# Altium PCB RTM_SFP.PcbDoc (part 5 of 5)
Units mm, origin at the board's own origin, x right, y up, seen from the top; angles counter-clockwise.
Board outline 182.5 x 148.5 mm, 4 copper layers (Top Layer, MidPlane_1, MidPlane_2, Bottom Layer), stack 1.614 mm thick; 376 components, 325 nets, 1560 pads, 1463 vias.
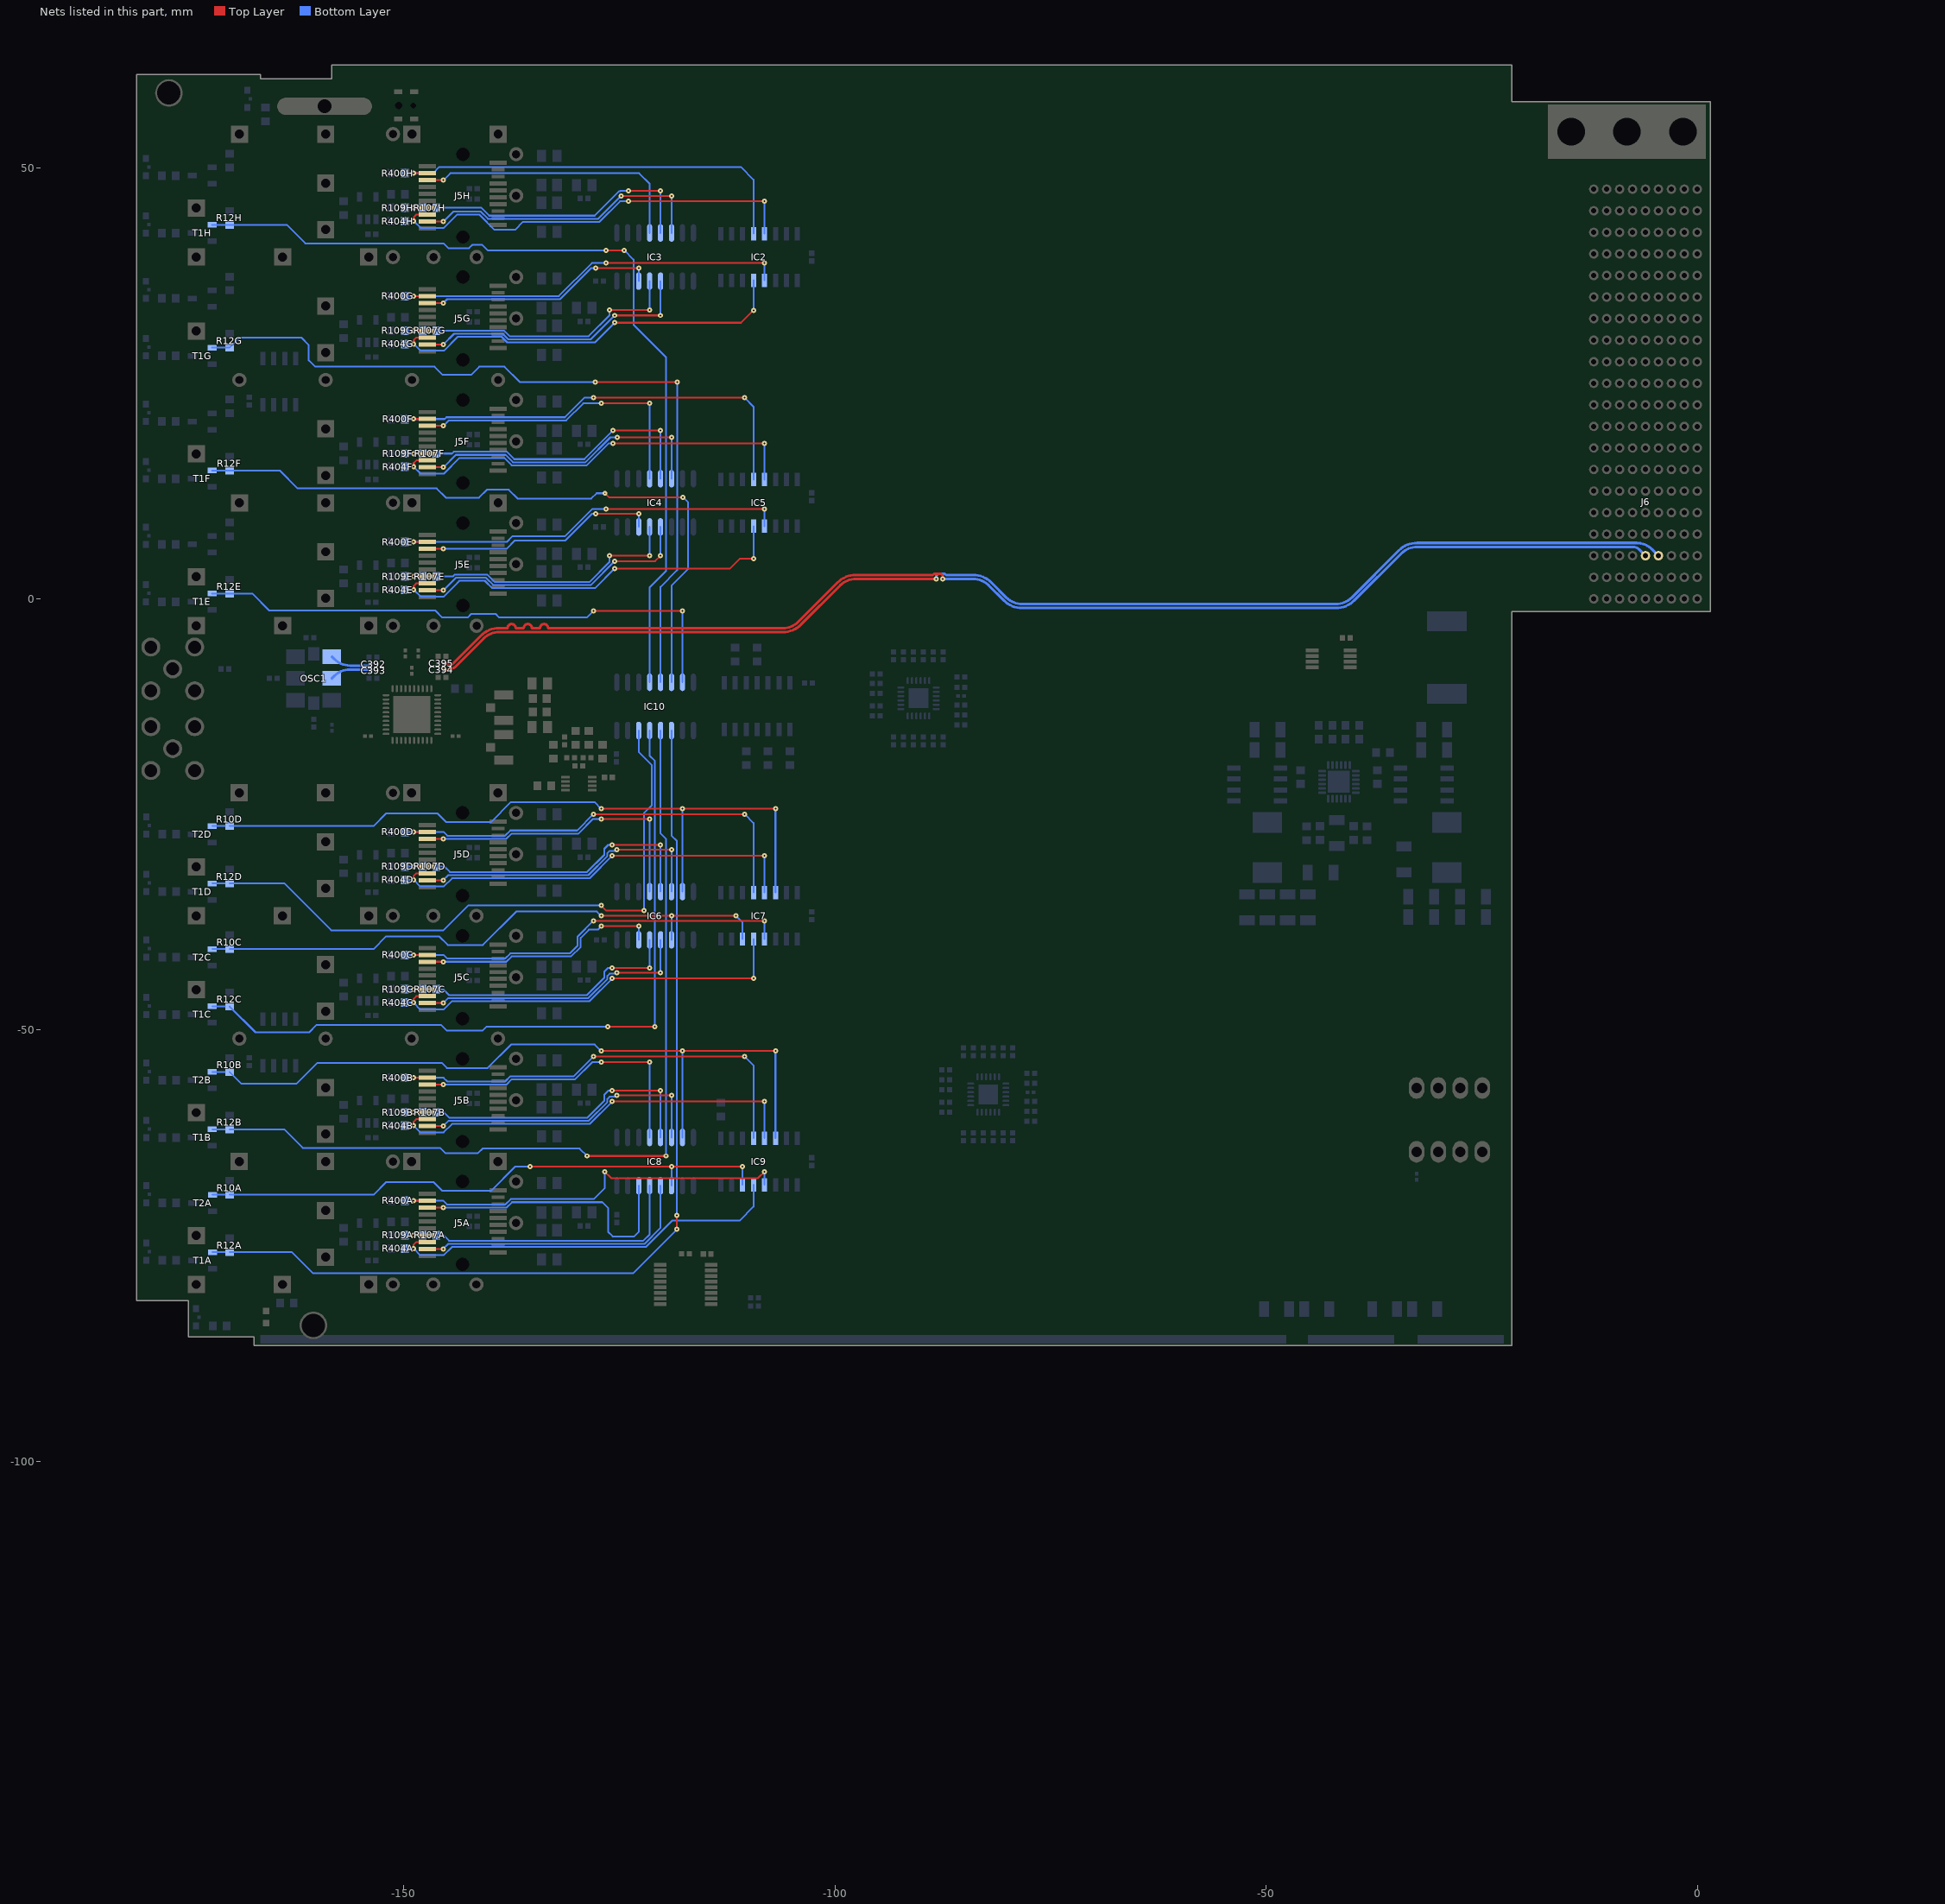
[diagram p7: the nets of this part, all layers, seen from the top]

## Via types
v1: diameter 0.6, hole 0.2, Top Layer to Bottom Layer, tented both sides, 1383 vias
v2: diameter 0.6, hole 0.3, Top Layer to Bottom Layer, tented both sides, 51 vias
v3: diameter 0.66, hole 0.33, Top Layer to Bottom Layer, tented top, 24 vias
v4: diameter 0.6, hole 0.4, Top Layer to Bottom Layer, tented both sides, 5 vias

## Nets (pads, with @x,y where several pads share a name; then routed paths per layer and width w, separated by ;. In a path a pad name is that pad's centre, name@x,y a point inside that pad or via, vN(x,y) a via of type N, cw(c..) or ccw(c..) an arc to the next point about the centre after c; other vN are vias at no path point) (continued)
SFP_LED1_5: IC6.7 IC7.14 R10D.2 T2D.1 | length 86.4
  Top Layer w0.203: v1(-127.12,-24.33) v1(-117.695,-24.33) v1(-106.91,-24.33)
  Bottom Layer w0.203: T2D.1@-172.225,-26.35 -170.775,-26.35 ; R10D.2@-170.22,-26.35 -153.535,-26.35 -152.06,-24.875 -146.099,-24.875 -145.083,-25.891 -139.901,-25.891 -137.58,-23.57 -127.88,-23.57 v1(-127.12,-24.33) ; IC6.7@-117.695,-33.95 v1(-117.695,-24.33) ; IC7.14@-106.91,-34.044 v1(-106.91,-24.33)
SFP_LED1_6: IC6.11 IC7.6 R10C.2 T2C.1 | length 68.8
  Top Layer w0.203: v1(-127.12,-36.76) v1(-118.965,-36.76) v1(-111.49,-36.76)
  Bottom Layer w0.203: T2C.1@-172.225,-40.6 -170.775,-40.6 ; R10C.2@-170.22,-40.6 -153.535,-40.6 -152.06,-39.125 -145.935,-39.125 -144.919,-40.141 -140.851,-40.141 -136.97,-36.26 -127.62,-36.26 v1(-127.12,-36.76) ; IC6.11@-118.965,-39.538 v1(-118.965,-36.76) ; v1(-111.49,-36.76) -110.72,-37.53 IC7.6@-110.72,-39.444
SFP_LED1_7: IC8.7 IC9.14 R10B.2 T2B.1 | length 88.2
  Top Layer w0.203: v1(-127.12,-52.43) v1(-117.695,-52.43) v1(-106.91,-52.43)
  Bottom Layer w0.203: T2B.1@-172.225,-54.85 -170.775,-54.85 ; R10B.2@-170.22,-54.85 -168.845,-56.225 -162.46,-56.225 -160.03,-53.795 -145.605,-53.795 -145.009,-54.391 -140.291,-54.391 -137.57,-51.67 -127.88,-51.67 v1(-127.12,-52.43) ; IC8.7@-117.695,-62.45 v1(-117.695,-52.43) ; IC9.14@-106.91,-62.544 v1(-106.91,-52.43)
SFP_LED1_8: IC8.11 IC9.6 R10A.2 T2A.1 | length 67.5
  Top Layer w0.203: v1(-135.359,-65.83) v1(-118.96,-65.83) v1(-110.72,-65.83)
  Bottom Layer w0.203: T2A.1@-172.21,-69.101 -170.76,-69.101 ; R10A.2@-170.22,-69.101 -153.535,-69.101 -152.06,-67.626 -146.554,-67.626 -145.53,-68.65 -145.521,-68.641 -139.921,-68.641 -137.11,-65.83 v1(-135.359,-65.83) ; IC8.11@-118.965,-68.038 v1@-118.965,-65.835 ; IC9.6@-110.72,-67.944 v1(-110.72,-65.83)
SFP_LED2_1: IC10.4 R12H.2 T1H.1 | length 102.3
  Top Layer w0.203: v1(-126.58,40.41) v1@-124.45,40.41
  Bottom Layer w0.203: T1H.1@-172.25,43.375 -163.585,43.375 -161.43,41.22 -145.41,41.22 -144.85,40.66 -142.44,40.66 -142.03,41.07 -140.95,41.07 -140.29,40.41 v1(-126.58,40.41) ; v1(-124.445,40.415) -123.364,39.334 -123.364,31.794 -119.6,28.03 -119.6,3.22 -121.505,1.315 IC10.4@-121.505,-9.675
SFP_LED2_2: IC10.5 R12G.2 T1G.1 | length 94
  Top Layer w0.203: v1(-127.81,25.15) v1(-118.32,25.15)
  Bottom Layer w0.203: T1G.1@-172.25,29.125 R12G.2@-170.22,29.125 -169.045,30.3 -161.9,30.3 -161.03,29.43 -161.03,27.66 -160.29,26.92 -146.45,26.92 -145.54,26.01 -142.17,26.01 -141.26,26.92 -138.34,26.92 -136.57,25.15 v1(-127.81,25.15) ; IC10.5@-120.235,-9.675 -120.235,1.395 -118.31,3.32 v1@-118.31,25.14
SFP_LED2_3: IC10.6 R12F.2 T1F.1 | length 79.7
  Top Layer w0.203: v1(-126.685,12.245) -126.231,11.79 v1(-117.63,11.79)
  Bottom Layer w0.203: T1F.1@-172.25,14.875 -164.385,14.875 -162.31,12.8 -146.21,12.8 -145.135,11.725 -141.3,11.725 -140.375,12.65 -137.85,12.65 -136.825,11.625 -128.275,11.625 -127.655,12.245 v1(-126.685,12.245) ; IC10.6@-118.965,-9.675 -118.965,1.545 -117.03,3.48 -117.03,11.19 v1(-117.63,11.79)
SFP_LED2_4: IC10.7 R12E.2 T1E.1 | length 64.6
  Top Layer w0.203: v1(-128.005,-1.385) v1(-117.695,-1.385)
  Bottom Layer w0.203: T1E.1@-172.25,0.625 R12E.2@-170.22,0.625 -167.595,0.625 -165.62,-1.35 -146.37,-1.35 -145.56,-2.16 -142.62,-2.16 -142.204,-1.744 -139.369,-1.744 -138.983,-2.13 -128.75,-2.13 v1(-128.005,-1.385) ; IC10.7@-117.695,-9.675 v1(-117.695,-1.385)
SFP_LED2_5: IC10.14 R12D.2 T1D.1 | length 75.1
  Top Layer w0.203: v1(-127.12,-35.55) -126.52,-36.15 v1(-122.14,-36.15)
  Bottom Layer w0.203: T1D.1@-172.225,-33 -170.775,-33 ; R12D.2@-170.22,-33 -163.85,-33 -158.43,-38.42 -145.42,-38.42 -142.55,-35.55 v1(-127.12,-35.55) ; IC10.14@-122.775,-15.263 -122.775,-17.755 -121.245,-19.285 -121.245,-23.925 -122.14,-24.82 v1(-122.14,-36.15)
SFP_LED2_6: IC10.13 R12C.2 T1C.1 | length 87.4
  Top Layer w0.203: v1(-126.35,-49.63) v1(-120.89,-49.63)
  Bottom Layer w0.203: T1C.1@-172.225,-47.25 -170.775,-47.25 ; R12C.2@-170.22,-47.25 -167.21,-50.26 -160.99,-50.26 -160.12,-49.39 -145.7,-49.39 -145.05,-50.04 -140.86,-50.04 -140.45,-49.63 v1(-126.35,-49.63) ; IC10.13@-121.505,-15.263 -121.505,-18.175 -120.89,-18.79 v1(-120.89,-49.63)
SFP_LED2_7: IC10.12 R12B.2 T1B.1 | length 103.4
  Top Layer w0.203: v1(-128.75,-64.6) v1(-119.61,-64.6)
  Bottom Layer w0.203: T1B.1@-172.225,-61.5 -170.775,-61.5 ; R12B.2@-170.22,-61.5 -163.89,-61.5 -161.73,-63.66 -145.79,-63.66 -145.19,-64.26 -141.41,-64.26 -140.88,-63.73 -129.62,-63.73 v1(-128.75,-64.6) ; IC10.12@-120.235,-15.263 -120.235,-27.195 -119.61,-27.82 v1(-119.61,-64.6)
SFP_LED2_8: IC10.11 R12A.2 T1A.1 | length 114.6
  Top Layer w0.203: v1(-118.34,-73.1) v1(-118.34,-71.46)
  Bottom Layer w0.203: T1A.1@-172.21,-75.751 -170.76,-75.751 ; R12A.2@-170.22,-75.751 -162.999,-75.751 -160.547,-78.203 -123.443,-78.203 v1(-118.34,-73.1) ; IC10.11@-118.965,-15.263 -118.965,-27.455 -118.34,-28.08 v1(-118.34,-71.46)
SFP_LOS1: IC2.13 J5H.8 R404H.1 | length 50.7
  Top Layer w0.203: v1(-148.863,43.805) -148.863,44.252 -148.558,44.556 J5H.8@-147.275,44.556 ; v1(-123.98,46.1) v1(-108.18,46.1)
  Bottom Layer w0.203: R404H.1@-149.9,43.805 v1(-148.863,43.805) -148.078,43.02 -145.377,43.02 -143.843,44.554 -141.232,44.554 -139.48,42.803 -137.097,42.803 -136.176,43.724 -127.311,43.724 -124.935,46.1 v1(-123.98,46.1) ; IC2.13@-108.18,42.336 v1(-108.18,46.1)
SFP_LOS2: IC2.5 J5G.8 R404G.1 | length 48.9
  Top Layer w0.203: v1(-148.863,29.555) -148.863,30.002 -148.558,30.306 J5G.8@-147.275,30.306 ; v1(-125.56,32.02) -110.9,32.02 v1(-109.45,33.47)
  Bottom Layer w0.203: R404G.1@-149.9,29.555 v1(-148.863,29.555) -148.078,28.77 -145.377,28.77 -143.758,30.389 -138.676,30.389 -138.027,29.74 -127.84,29.74 v1(-125.56,32.02) ; v1(-109.45,33.47) IC2.5@-109.45,36.936
SFP_LOS3: IC5.13 J5F.8 R404F.1 | length 50.6
  Top Layer w0.203: v1(-148.863,15.305) -148.863,15.752 -148.558,16.056 J5F.8@-147.275,16.056 ; v1@-125.787,18.047 v1(-108.18,18.047)
  Bottom Layer w0.203: R404F.1@-149.9,15.305 v1(-148.863,15.305) -148.078,14.52 -145.377,14.52 -143.551,16.345 -138.357,16.345 -137.501,15.49 -128.795,15.49 -126.237,18.047 v1@-125.787,18.047 ; IC5.13@-108.18,13.836 v1(-108.18,18.047)
  other v1: -125.77,18.047
SFP_LOS4: IC5.5 J5E.8 R404E.1 | length 49.3
  Top Layer w0.203: v1(-148.863,1.055) -148.863,1.502 -148.558,1.806 J5E.8@-147.275,1.806 ; v1@-125.63,3.52 -112.17,3.52 -111.02,4.67 v1(-109.45,4.67)
  Bottom Layer w0.203: R404E.1@-149.9,1.055 v1(-148.863,1.055) -148.078,0.27 -145.377,0.27 -143.758,1.889 -143.541,2.105 -140.631,2.105 -139.765,1.24 -127.84,1.24 v1(-125.56,3.52) ; v1(-109.45,4.67) IC5.5@-109.45,8.436
SFP_LOS5: IC7.13 J5D.8 R404D.1 | length 50
  Top Layer w0.203: v1(-148.877,-32.575) -148.877,-32.129 -148.572,-31.824 J5D.8@-147.29,-31.824 ; v1(-125.85,-29.773) v1(-108.18,-29.773)
  Bottom Layer w0.203: R404D.1@-149.914,-32.575 v1(-148.877,-32.575) -148.092,-33.36 -145.391,-33.36 -144.421,-32.391 -128.465,-32.391 -125.85,-29.775 v1(-125.85,-29.773) ; IC7.13@-108.18,-34.044 v1(-108.18,-29.773)
SFP_LOS6: IC7.5 J5C.8 R404C.1 | length 49
  Top Layer w0.203: v1(-148.877,-46.825) -148.877,-46.379 -148.572,-46.074 J5C.8@-147.29,-46.074 ; v1(-125.85,-44.023) v1(-109.45,-44.023)
  Bottom Layer w0.203: R404C.1@-149.914,-46.825 v1(-148.877,-46.825) -148.092,-47.61 -145.391,-47.61 -144.421,-46.641 -128.465,-46.641 -125.85,-44.025 v1(-125.85,-44.023) ; v1(-109.45,-44.023) IC7.5@-109.45,-39.444
SFP_LOS7: IC9.13 J5B.8 R404B.1 | length 50
  Top Layer w0.203: v1(-148.877,-61.075) -148.877,-60.629 -148.572,-60.324 J5B.8@-147.29,-60.324 ; v1(-125.85,-58.273) v1(-108.18,-58.273)
  Bottom Layer w0.203: R404B.1@-149.914,-61.075 v1(-148.877,-61.075) -148.092,-61.86 -145.391,-61.86 -144.421,-60.891 -129.58,-60.891 -128.465,-60.891 -125.85,-58.275 v1(-125.85,-58.273) ; IC9.13@-108.18,-62.544 v1(-108.18,-58.273)
SFP_LOS8: IC9.5 J5A.8 R404A.1 | length 47.8
  Top Layer w0.203: v1(-148.877,-75.325) -148.877,-74.879 -148.572,-74.574 J5A.8@-147.29,-74.574
  Bottom Layer w0.203: R404A.1@-149.914,-75.325 v1(-148.877,-75.325) -148.092,-76.11 -145.391,-76.11 -144.421,-75.141 -121.945,-75.141 -118.899,-72.095 -111.085,-72.095 -109.45,-70.46 IC9.5@-109.45,-67.944
SFP_RS0_1: IC3.5 R107H.2 | length 32.2
  Top Layer w0.203: v1(-123.98,47.29) v1(-120.235,47.29)
  Bottom Layer w0.203: R107H.2@-146.215,45.35 -141.023,45.35 -140.107,44.435 -127.886,44.435 -125.039,47.281 -124.926,47.281 -124.917,47.29 v1(-123.98,47.29) ; IC3.5@-120.235,42.43 v1@-120.235,47.09
SFP_RS0_2: IC3.13 R107G.2 | length 30
  Top Layer w0.203: v1(-126.16,33.5) v1(-121.505,33.5)
  Bottom Layer w0.203: R107G.2@-146.215,31.1 -138.382,31.1 -137.733,30.451 -128.582,30.451 -126.16,32.873 v1(-126.16,33.5) v1@-126.214,33.446 ; v1(-121.505,33.5) IC3.13@-121.505,36.842
SFP_RS0_3: IC4.5 R107F.2 | length 33.4
  Top Layer w0.203: v1(-125.77,19.52) v1(-120.235,19.52)
  Bottom Layer w0.203: R107F.2@-146.215,16.85 -144.43,16.85 -144.224,17.056 -138.063,17.056 -137.207,16.201 -129.089,16.201 v1(-125.77,19.52) ; IC4.5@-120.235,13.93 v1(-120.235,19.52)
SFP_RS0_4: IC4.13 R107E.2 | length 30.2
  Top Layer w0.203: v1(-126.16,5) v1(-121.505,5)
  Bottom Layer w0.203: R107E.2@-146.215,2.6 -144.333,2.6 -144.116,2.816 -140.336,2.816 -139.471,1.951 -128.489,1.951 -126.16,4.28 v1(-126.16,5) ; v1(-121.505,5) IC4.13@-121.505,8.342
SFP_RS0_5: IC6.5 R107D.2 | length 33.4
  Top Layer w0.203: v1(-125.85,-28.53) v1(-120.235,-28.53)
  Bottom Layer w0.203: R107D.2@-146.229,-31.03 -145.31,-31.03 -144.661,-31.679 -128.759,-31.679 -126.76,-29.68 -126.76,-28.98 -126.31,-28.53 v1(-125.85,-28.53) ; IC6.5@-120.235,-33.95 v1(-120.235,-28.53)
SFP_RS0_6: IC6.13 R107C.2 | length 29.9
  Top Layer w0.203: v1(-125.85,-42.78) v1(-121.505,-42.78)
  Bottom Layer w0.203: R107C.2@-146.229,-45.28 -145.43,-45.28 -144.781,-45.929 -128.759,-45.929 -126.76,-43.93 -126.76,-43.23 -126.31,-42.78 v1(-125.85,-42.78) ; v1(-121.505,-42.78) IC6.13@-121.505,-39.538
SFP_RS0_7: IC8.5 R107B.2 | length 33.4
  Top Layer w0.203: v1(-125.85,-57.03) v1(-120.235,-57.03)
  Bottom Layer w0.203: R107B.2@-146.229,-59.53 -145.36,-59.53 -144.711,-60.179 -128.759,-60.179 -126.76,-58.18 -126.76,-57.48 -126.31,-57.03 v1(-125.85,-57.03) ; IC8.5@-120.235,-62.45 v1(-120.235,-57.03)
SFP_RS0_8: IC8.13 R107A.2 | length 31
  Bottom Layer w0.203: R107A.2@-146.229,-73.78 -145.41,-73.78 -144.761,-74.429 -122.239,-74.429 -121.505,-73.695 IC8.13@-121.505,-68.038
SFP_RS1_1: IC3.6 J5H.9 | length 34.5
  Top Layer w0.203: J5H.9@-147.275,43.756 v1(-145.424,43.756) ; v1(-124.81,46.727) v1(-118.965,46.727)
  Bottom Layer w0.203: v1(-145.424,43.756) -144.271,44.909 -141.084,44.909 -140.254,44.079 -127.458,44.079 v1(-124.81,46.727) ; IC3.6@-118.965,42.43 v1(-118.965,46.727)
SFP_RS1_2: IC3.12 J5G.9 | length 32.9
  Top Layer w0.203: J5G.9@-147.275,29.506 v1(-145.424,29.506) ; v1(-125.56,32.87) v1(-120.235,32.87)
  Bottom Layer w0.203: v1(-145.424,29.506) -144.186,30.744 -138.529,30.744 -137.88,30.095 -128.335,30.095 v1(-125.56,32.87) ; v1(-120.235,32.87) IC3.12@-120.235,36.842
SFP_RS1_3: IC4.6 J5F.9 | length 35.3
  Top Layer w0.203: J5F.9@-147.275,15.256 v1(-145.424,15.256) ; v1(-125.25,18.73) v1(-118.965,18.73)
  Bottom Layer w0.203: v1(-145.424,15.256) -143.979,16.701 -138.21,16.701 -137.354,15.845 -128.942,15.845 -126.057,18.73 v1(-125.25,18.73) ; IC4.6@-118.965,13.93 v1(-118.965,18.73)
SFP_RS1_4: IC4.12 J5E.9 | length 32.8
  Top Layer w0.203: J5E.9@-147.275,1.006 v1(-145.424,1.006) ; v1@-125.63,4.37 -120.865,4.37 v1(-120.235,5)
  Bottom Layer w0.203: v1(-145.424,1.006) -143.969,2.461 -140.484,2.461 -139.618,1.595 -128.335,1.595 v1(-125.56,4.37) ; v1(-120.235,5) IC4.12@-120.235,8.342
SFP_RS1_5: IC6.6 J5D.9 | length 34.9
  Top Layer w0.203: J5D.9@-147.29,-32.624 v1(-145.438,-32.624) ; v1(-125.33,-29.09) v1(-118.965,-29.09)
  Bottom Layer w0.203: v1(-145.438,-32.624) -144.849,-32.035 -128.612,-32.035 -126.404,-29.827 -126.404,-29.474 -126.149,-29.219 -125.459,-29.219 v1(-125.33,-29.09) ; IC6.6@-118.965,-33.95 v1(-118.965,-29.09)
SFP_RS1_6: IC6.12 J5C.9 | length 32.5
  Top Layer w0.203: J5C.9@-147.29,-46.874 v1(-145.438,-46.874) ; v1(-125.33,-43.34) v1(-120.235,-43.34)
  Bottom Layer w0.203: v1(-145.438,-46.874) -144.849,-46.285 -129.2,-46.285 -128.612,-46.285 -126.404,-44.077 -126.404,-43.724 -126.149,-43.469 -125.459,-43.469 v1(-125.33,-43.34) ; v1(-120.235,-43.34) IC6.12@-120.235,-39.538
SFP_RS1_7: IC8.6 J5B.9 | length 34.9
  Top Layer w0.203: J5B.9@-147.29,-61.124 v1(-145.438,-61.124) ; v1(-125.33,-57.59) v1(-118.965,-57.59)
  Bottom Layer w0.203: v1(-145.438,-61.124) -144.849,-60.535 -129.2,-60.535 -128.612,-60.535 -126.404,-58.327 -126.404,-57.974 -126.149,-57.719 -125.459,-57.719 v1(-125.33,-57.59) ; IC8.6@-118.965,-62.45 v1(-118.965,-57.59)
SFP_RS1_8: IC8.12 J5A.9 | length 33
  Top Layer w0.203: J5A.9@-147.29,-75.374 v1(-145.438,-75.374)
  Bottom Layer w0.203: v1(-145.438,-75.374) -144.849,-74.785 -122.092,-74.785 -120.235,-72.928 IC8.12@-120.235,-68.038
SFP_SYNCE_REFCLKA: J5A.7 R107A.1 R109A.2 | length 3.7
  Top Layer w0.203: v1(-148.877,-73.78) J5A.7@-147.296,-73.78
  Bottom Layer w0.203: R109A.2@-149.914,-73.78 v1(-148.877,-73.78) R107A.1@-147.829,-73.78
SFP_SYNCE_REFCLKB: J5B.7 R107B.1 R109B.2 | length 3.7
  Top Layer w0.203: v1(-148.877,-59.53) J5B.7@-147.296,-59.53
  Bottom Layer w0.203: R109B.2@-149.914,-59.53 v1(-148.877,-59.53) R107B.1@-147.829,-59.53
SFP_SYNCE_REFCLKC: J5C.7 R107C.1 R109C.2 | length 3.7
  Top Layer w0.203: v1(-148.877,-45.28) J5C.7@-147.296,-45.28
  Bottom Layer w0.203: R109C.2@-149.914,-45.28 v1(-148.877,-45.28) R107C.1@-147.829,-45.28
SFP_SYNCE_REFCLKD: J5D.7 R107D.1 R109D.2 | length 3.7
  Top Layer w0.203: v1(-148.877,-31.03) J5D.7@-147.296,-31.03
  Bottom Layer w0.203: R109D.2@-149.914,-31.03 v1(-148.877,-31.03) R107D.1@-147.829,-31.03
SFP_SYNCE_REFCLKE: J5E.7 R107E.1 R109E.2 | length 3.7
  Top Layer w0.203: v1(-148.863,2.6) J5E.7@-147.282,2.6
  Bottom Layer w0.203: R109E.2@-149.9,2.6 v1(-148.863,2.6) R107E.1@-147.815,2.6
SFP_SYNCE_REFCLKF: J5F.7 R107F.1 R109F.2 | length 3.7
  Top Layer w0.203: v1(-148.863,16.85) J5F.7@-147.282,16.85
  Bottom Layer w0.203: R109F.2@-149.9,16.85 v1(-148.863,16.85) R107F.1@-147.815,16.85
SFP_SYNCE_REFCLKG: J5G.7 R107G.1 R109G.2 | length 3.7
  Top Layer w0.203: v1(-148.863,31.1) J5G.7@-147.282,31.1
  Bottom Layer w0.203: R109G.2@-149.9,31.1 v1(-148.863,31.1) R107G.1@-147.815,31.1
SFP_SYNCE_REFCLKH: J5H.7 R107H.1 R109H.2 | length 3.7
  Top Layer w0.203: v1(-148.863,45.35) J5H.7@-147.282,45.35
  Bottom Layer w0.203: R109H.2@-149.9,45.35 v1(-148.863,45.35) R107H.1@-147.815,45.35
SFP_TXDISABLE1: IC3.4 J5H.3 | length 32.3
  Top Layer w0.203: J5H.3@-147.275,48.556 v1(-145.424,48.556)
  Bottom Layer w0.203: v1(-145.424,48.556) -144.62,49.36 -122.72,49.36 -121.505,48.145 IC3.4@-121.505,42.43
SFP_TXDISABLE2: IC3.14 J5G.3 | length 27.7
  Top Layer w0.203: J5G.3@-147.275,34.306 v1(-145.424,34.306) ; v1(-127.74,38.355) v1(-122.775,38.355)
  Bottom Layer w0.203: v1(-145.424,34.306) -144.979,34.751 -131.886,34.751 -128.282,38.355 v1(-127.74,38.355) ; IC3.14@-122.775,36.842 v1(-122.775,38.355)
SFP_TXDISABLE3: IC4.4 J5F.3 | length 35.6
  Top Layer w0.203: J5F.3@-147.275,20.056 v1(-145.424,20.056) ; v1(-127.12,22.67) v1(-121.505,22.67)
  Bottom Layer w0.203: v1(-145.424,20.056) -144.781,20.699 -131.176,20.699 -129.205,22.67 v1(-127.12,22.67) ; IC4.4@-121.505,13.93 v1(-121.505,22.67)
SFP_TXDISABLE4: IC4.14 J5E.3 | length 27.7
  Top Layer w0.203: J5E.3@-147.275,5.806 v1(-145.424,5.806) ; v1(-127.74,9.855) v1(-122.775,9.855)
  Bottom Layer w0.203: v1(-145.424,5.806) -138.114,5.806 -137.16,6.76 -131.31,6.76 -128.215,9.855 v1(-127.74,9.855) ; IC4.14@-122.775,8.342 v1(-122.775,9.855)
SFP_TXDISABLE5: IC6.4 J5D.3 | length 35.2
  Top Layer w0.203: J5D.3@-147.29,-27.824 v1(-145.438,-27.824) ; v1(-127.12,-25.53) v1(-121.505,-25.53)
  Bottom Layer w0.203: v1(-145.438,-27.824) -138.128,-27.824 -137.514,-27.21 -129.757,-27.21 -128.077,-25.53 v1(-127.12,-25.53) ; IC6.4@-121.505,-33.95 v1(-121.505,-25.53)
SFP_TXDISABLE6: IC6.14 J5C.3 | length 28.4
  Top Layer w0.203: J5C.3@-147.29,-42.074 v1(-145.438,-42.074) ; v1(-127.12,-37.96) v1(-122.775,-37.96)
  Bottom Layer w0.203: v1(-145.438,-42.074) -138.128,-42.074 -137.514,-41.46 -130.62,-41.46 -129.509,-40.349 -129.509,-39.312 -128.547,-38.35 -127.51,-38.35 v1(-127.12,-37.96) ; IC6.14@-122.775,-39.538 v1(-122.775,-37.96)
SFP_TXDISABLE7: IC8.4 J5B.3 | length 35.6
  Top Layer w0.203: J5B.3@-147.29,-56.324 v1(-145.438,-56.324) ; v1(-127.12,-53.71) v1(-121.505,-53.71)
  Bottom Layer w0.203: v1(-145.438,-56.324) -138.128,-56.324 -137.514,-55.71 -130.15,-55.71 -128.15,-53.71 v1(-127.12,-53.71) ; IC8.4@-121.505,-62.45 v1(-121.505,-53.71)
SFP_TXDISABLE8: IC8.14 J5A.3 | length 33.6
  Top Layer w0.203: J5A.3@-147.29,-70.574 v1(-145.438,-70.574)
  Bottom Layer w0.203: v1(-145.438,-70.574) -138.078,-70.574 -137.46,-69.956 -127,-69.956 -126.33,-70.626 -126.33,-73.39 -125.8,-73.92 -123.3,-73.92 -122.775,-73.395 IC8.14@-122.775,-68.038
SFP_TXFAULT1: IC2.12 J5H.2 R400H.1 | length 49.2
  Top Layer w0.203: v1(-148.884,49.356) J5H.2@-147.275,49.356
  Bottom Layer w0.203: R400H.1@-149.9,49.35 v1@-148.89,49.35 ; v1(-148.884,49.356) -146.604,49.356 -145.889,50.071 -110.931,50.071 -109.45,48.59 IC2.12@-109.45,42.336
SFP_TXFAULT2: IC2.4 J5G.2 R400G.1 | length 46.8
  Top Layer w0.203: v1(-148.884,35.106) J5G.2@-147.275,35.106 ; v1(-126.58,38.94) v1(-108.18,38.94)
  Bottom Layer w0.203: R400G.1@-149.9,35.1 v1@-148.89,35.1 ; v1(-148.884,35.106) -132.034,35.106 -128.2,38.94 v1(-126.58,38.94) ; IC2.4@-108.18,36.936 v1@-108.18,38.84
SFP_TXFAULT3: IC5.12 J5F.2 R400F.1 | length 51.9
  Top Layer w0.203: v1(-148.884,20.856) J5F.2@-147.275,20.856 ; v1(-128.02,23.31) v1(-110.48,23.31)
  Bottom Layer w0.203: R400F.1@-149.9,20.85 v1@-148.89,20.85 ; v1(-148.884,20.856) -145.264,20.856 -145.065,21.055 -131.323,21.055 -129.067,23.31 v1(-128.02,23.31) ; v1(-110.48,23.31) -109.45,22.28 IC5.12@-109.45,13.836
SFP_TXFAULT4: IC5.4 J5E.2 R400E.1 | length 46.8
  Top Layer w0.203: v1(-148.884,6.606) J5E.2@-147.275,6.606 ; v1(-126.58,10.44) v1(-108.18,10.44)
  Bottom Layer w0.203: R400E.1@-149.9,6.6 v1@-148.89,6.6 ; v1(-148.884,6.606) -138.074,6.606 -137.44,7.24 -131.35,7.24 -128.15,10.44 v1(-126.58,10.44) ; IC5.4@-108.18,8.436 v1@-108.18,10.34
SFP_TXFAULT5: IC7.12 J5D.2 R400D.1 | length 51.8
  Top Layer w0.203: v1(-148.898,-27.024) J5D.2@-147.29,-27.024 ; v1(-128.02,-24.97) v1(-110.48,-24.97)
  Bottom Layer w0.203: R400D.1@-149.914,-27.03 v1@-148.904,-27.03 ; v1(-148.898,-27.024) -145.405,-27.024 -144.96,-27.468 -138.275,-27.468 -137.661,-26.855 -129.904,-26.855 v1(-128.02,-24.97) ; v1(-110.48,-24.97) -109.45,-26 IC7.12@-109.45,-34.044
SFP_TXFAULT6: IC7.4 J5C.2 R400C.1 | length 48.1
  Top Layer w0.203: v1(-148.898,-41.274) J5C.2@-147.29,-41.274 ; v1(-128.02,-37.32) v1(-108.18,-37.32)
  Bottom Layer w0.203: R400C.1@-149.914,-41.28 v1@-148.904,-41.28 ; v1(-148.898,-41.274) -145.405,-41.274 -144.96,-41.718 -138.275,-41.718 -137.661,-41.105 -130.767,-41.105 -129.865,-40.202 -129.865,-39.165 v1(-128.02,-37.32) ; IC7.4@-108.18,-39.444 v1(-108.18,-37.32)
SFP_TXFAULT7: IC9.12 J5B.2 R400B.1 | length 52.3
  Top Layer w0.203: v1(-148.898,-55.524) J5B.2@-147.29,-55.524 ; v1(-128.02,-53.07) v1(-110.48,-53.07)
  Bottom Layer w0.203: R400B.1@-149.914,-55.53 R400B.1@-149.9,-55.53 v1@-148.904,-55.53 ; v1(-148.898,-55.524) -145.405,-55.524 -144.96,-55.968 -138.275,-55.968 -137.661,-55.355 -130.304,-55.355 v1(-128.02,-53.07) ; v1(-110.48,-53.07) -109.45,-54.1 IC9.12@-109.45,-62.544
SFP_TXFAULT8: IC9.4 J5A.2 R400A.1 | length 48.4
  Top Layer w0.203: v1(-148.898,-69.774) J5A.2@-147.29,-69.774 ; v1(-126.72,-66.41) -125.951,-67.179 -108.949,-67.179 v1(-108.18,-66.41)
  Bottom Layer w0.203: R400A.1@-149.914,-69.78 R400A.1@-149.9,-69.78 v1@-148.904,-69.78 ; v1(-148.898,-69.774) -145.454,-69.774 -145.01,-70.218 -138.225,-70.218 -137.608,-69.601 -127.971,-69.601 -126.72,-68.35 v1(-126.72,-66.41) ; IC9.4@-108.18,-67.944 v1(-108.18,-66.41)
SI_CLK_N: C393.2 OSC1.5 | length 4.9
  Bottom Layer w0.305: OSC1.5@-158.36,-9.23 -158.064,-8.934 cw(c-156.268,-10.73) -157.298,-8.408 cw(c-156.268,-10.73) -156.268,-8.19 -154.01,-8.19 C393.2@-153.86,-8.34
SI_CLK_P: C392.2 OSC1.4 | length 4.9
  Bottom Layer w0.305: OSC1.4@-158.36,-6.69 -158.061,-6.989 ccw(c-156.265,-5.193) -157.314,-7.506 ccw(c-156.265,-5.193) -156.265,-7.733 -154.013,-7.733 C392.2@-153.86,-7.58
SYNC_CLK_N: C395.2 J6.D3 | length 149.7
  Top Layer w0.305: C395.2@-145.32,-7.5 -144.941,-7.5 -144.794,-7.646 -144.683,-7.646 ccw(c-144.683,-7.09) -144.29,-7.484 -141.07,-4.263 cw(c-138.962,-6.371) -138.962,-3.39 -138.41,-3.39 -137.979,-3.39 cw(c-137.509,-3.39) -137.039,-3.39 -136.099,-3.39 cw(c-135.629,-3.39) -135.159,-3.39 -134.22,-3.39 cw(c-133.75,-3.39) -133.28,-3.39 -132.34,-3.39 -106.047,-3.39 ccw(c-106.047,-0.85) -104.251,-2.646 -99.699,1.906 cw(c-97.624,-0.169) -97.624,2.765 -88.668,2.765 -88.521,2.912 -87.712,2.912 -87.51,2.71 v1(-87.51,2.308)
  Bottom Layer w0.305: v1(-87.51,2.308) -83.976,2.308 cw(c-83.976,-0.232) -82.18,1.564 -80.432,-0.185 ccw(c-78.325,1.922) -78.325,-1.057 -41.882,-1.057 ccw(c-41.882,1.924) -39.774,-0.184 -34.304,5.286 cw(c-32.508,3.49) -32.508,6.03 -7.433,6.03 cw(c-7.433,5.057) -6.745,5.745 J6.D3@-6,5
SYNC_CLK_P: C394.2 J6.C3 | length 149.7
  Top Layer w0.305: C394.2@-145.32,-8.25 -144.941,-8.25 -144.794,-8.104 -144.656,-8.104 ccw(c-144.656,-7.156) -143.986,-7.826 -140.751,-4.591 cw(c-138.955,-6.387) -138.955,-3.847 -106.023,-3.847 ccw(c-106.023,-0.908) -103.944,-2.986 -99.394,1.564 cw(c-97.598,-0.232) -97.598,2.308 v1(-88.27,2.308)
  Bottom Layer w0.305: v1(-88.27,2.308) -88.27,2.67 -88.028,2.912 -87.259,2.912 -87.112,2.765 -83.972,2.765 cw(c-83.972,-0.221) -81.86,1.89 -80.114,0.144 ccw(c-78.318,1.94) -78.318,-0.6 -41.889,-0.6 ccw(c-41.889,1.94) -40.093,0.144 -34.622,5.615 cw(c-32.516,3.509) -32.516,6.487 -7.039,6.487 cw(c-7.039,3.947) -5.243,5.743 J6.C3@-4.5,5
pads on no net: IC1.12 IC1.13 IC2.7 IC3.10 IC4.10 IC5.7 IC6.10 IC7.7 IC8.10 IC9.7 IC10.10 IC11.10 IC11.35 IC12.5 IC14.5 IC14.6 IC14.7 J2.A3 J2.A4 J2.A6 J2.A7 J2.A8 J2.A10 J2.B1 J2.B2 J2.B3 J2.B4 J2.B6 J2.B7 J2.B8 J2.B10 J2.D1 J2.D2 J2.F1 J2.F2 J5A.MTG1 J5A.MTG2 J5B.MTG1 J5B.MTG2 J5C.MTG1 J5C.MTG2 J5D.MTG1 J5D.MTG2 J5E.MTG1 J5E.MTG2 J5F.MTG1 J5F.MTG2 J5G.MTG1 J5G.MTG2 J5H.MTG1 J5H.MTG2 J6.A4 J6.A8 J6.A9 J6.A10 J6.B4 J6.B7 J6.B8 J6.B9 J6.B10 J6.C4 J6.D4 J6.D5 J6.D6 J6.D7 J6.D8 J6.D9 J6.D10 J6.E1 J6.E3 J6.E4 J6.F2 J6.F3 J6.F4 LD1A.3 LD1B.3 LD1C.3 LD1D.3 LD1E.3 LD1F.3 LD1G.3 LD1H.3 LD2A.3 LD2B.3 LD2C.3 LD2D.3 LD2E.3 LD2F.3 LD2G.3 LD2H.3 LDx.3 LDy.3 OSC1.1 PB1.5 PB1.10
copper on no net: | length 676
  Top Layer w0.25: -178.256,-104.318 -32.574,-104.318 ; -178.256,-99.353 -32.574,-99.353 ; -179.78,-136.57 ccw(c-178.18,-136.57) -178.18,-138.17 -32.65,-138.17 ccw(c-32.65,-136.57) -31.05,-136.57 -31.05,-94.8 ccw(c-32.65,-94.8) -32.65,-93.2 -178.18,-93.2 ccw(c-178.18,-94.8) -179.78,-94.8 -179.78,-136.57

## Polygon pours and split planes (outlines as drawn)
GND on Top Layer "Top Layer-GND" (solid, remove dead copper, pour order 7): -181,60.813 -166.639,60.813 -166.639,60.312 -158.399,60.312 -158.399,61.912 -21.501,61.912 -21.501,57.661 1.499,57.661 1.499,-1.488 -21.501,-1.488 -21.501,-86.589 -167.401,-86.589 -167.401,-85.588 -175.001,-85.588 -175.001,-81.389 -181,-81.389 -181,60.813
P3V3 on Bottom Layer "Bottom Layer-GND" (solid, remove dead copper, pour order 5): -181,60.813 -166.639,60.813 -166.639,60.312 -158.399,60.312 -158.399,61.912 -21.501,61.912 -21.501,57.661 1.499,57.661 1.499,-1.488 -21.501,-1.488 -21.501,-86.589 -167.401,-86.589 -167.401,-85.588 -175.001,-85.588 -175.001,-81.389 -181,-81.389 -181,60.813
NetF1_1 on MidPlane_1 (split plane): 0.988,-0.978 -21.501,-0.978 -21.601,-0.988 -21.696,-1.017 -21.785,-1.064 -21.862,-1.127 -21.926,-1.205 -21.973,-1.293 -22.002,-1.389 -22.012,-1.488 -22.012,-6.983 -30.663,-6.983 -32.736,-4.91 -32.736,1.943 -29.808,4.871 0.988,4.871
GND on MidPlane_1 (split plane): 413 vertices, not listed, extent -180.49,-86.078 0.988,61.402
NetC219G_1 on MidPlane_2 (split plane): -133.279,32.126 -133.279,27.924 -133.714,27.49 -141.396,27.49 -141.821,27.914 -141.821,32.152 -141.412,32.561 -133.714,32.561
NetC214G_1 on MidPlane_2 (split plane): -133.279,37.476 -133.279,33.274 -133.734,32.82 -141.392,32.82 -141.821,33.248 -141.821,37.486 -141.396,37.911 -133.714,37.911
NetC214F_1 on MidPlane_2 (split plane): -133.279,23.226 -133.279,19.024 -133.734,18.569 -141.392,18.569 -141.821,18.998 -141.821,23.236 -141.396,23.661 -133.714,23.661
NetC214H_1 on MidPlane_2 (split plane): -133.279,51.726 -133.279,47.524 -133.734,47.07 -141.392,47.07 -141.821,47.498 -141.821,51.736 -141.396,52.161 -133.714,52.161
NetC219H_1 on MidPlane_2 (split plane): -133.279,46.376 -133.279,42.174 -133.714,41.74 -141.396,41.74 -141.821,42.164 -141.821,46.402 -141.412,46.811 -133.714,46.811
NetC214E_1 on MidPlane_2 (split plane): -133.279,8.976 -133.279,4.774 -133.734,4.319 -141.392,4.319 -141.821,4.748 -141.821,8.986 -141.396,9.411 -133.714,9.411
NetC219F_1 on MidPlane_2 (split plane): -133.279,17.876 -133.279,13.674 -133.714,13.239 -141.396,13.239 -141.821,13.664 -141.821,17.902 -141.412,18.311 -133.714,18.311
NetC219E_1 on MidPlane_2 (split plane): -133.279,3.626 -133.279,-0.576 -133.714,-1.011 -141.396,-1.011 -141.821,-0.586 -141.821,3.652 -141.412,4.061 -133.714,4.061
NetC214B_1 on MidPlane_2 (split plane): -133.294,-53.154 -133.294,-57.357 -133.748,-57.811 -141.406,-57.811 -141.835,-57.382 -141.835,-53.144 -141.411,-52.72 -133.728,-52.72
NetC214A_1 on MidPlane_2 (split plane): -133.294,-67.404 -133.294,-71.607 -133.748,-72.061 -141.406,-72.061 -141.835,-71.632 -141.835,-67.394 -141.411,-66.97 -133.728,-66.97
NetC219D_1 on MidPlane_2 (split plane): -133.294,-30.004 -133.294,-34.207 -133.728,-34.641 -141.411,-34.641 -141.835,-34.217 -141.835,-29.979 -141.426,-29.57 -133.728,-29.57
NetC214D_1 on MidPlane_2 (split plane): -133.294,-24.654 -133.294,-28.857 -133.748,-29.311 -141.406,-29.311 -141.835,-28.882 -141.835,-24.644 -141.411,-24.22 -133.728,-24.22
NetC214C_1 on MidPlane_2 (split plane): -133.294,-38.904 -133.294,-43.107 -133.748,-43.561 -141.406,-43.561 -141.835,-43.132 -141.835,-38.894 -141.411,-38.47 -133.728,-38.47
P3V3_CLEAN on MidPlane_2 (split plane): -138.612,-9.122 -138.57,-9.15 -138.52,-9.159 -135.094,-9.159 -134.369,-9.884 -134.369,-11.516 -135.064,-12.211 -141.626,-12.211 -145.258,-8.578 -145.3,-8.55 -145.35,-8.541 -152.64,-8.541 -152.69,-8.55 -152.732,-8.578 -153.902,-9.748 -153.93,-9.79 -153.939,-9.84 -153.939,-15.866 -154.444,-16.371 -165.403,-16.371 -166.271,-15.503 -166.271,-5.984 -164.916,-4.629 -143.104,-4.629
P2V5_CLEAN on MidPlane_2 (split plane): -141.772,-12.432 -141.73,-12.46 -141.68,-12.469 -135.064,-12.469 -134.359,-13.174 -134.359,-15.686 -135.044,-16.371 -153.176,-16.371 -153.681,-15.866 -153.681,-9.894 -152.586,-8.799 -145.404,-8.799
GND on MidPlane_2 (split plane): 409 vertices, not listed, extent -180.49,-86.078 0.988,61.402
NetC219A_1 on MidPlane_2 (split plane): -133.294,-72.754 -133.294,-76.957 -133.728,-77.391 -141.411,-77.391 -141.835,-76.967 -141.835,-72.729 -141.426,-72.32 -133.728,-72.32
NetC219C_1 on MidPlane_2 (split plane): -133.294,-44.254 -133.294,-48.457 -133.728,-48.891 -141.411,-48.891 -141.835,-48.467 -141.835,-44.229 -141.426,-43.82 -133.728,-43.82
NetC219B_1 on MidPlane_2 (split plane): -133.294,-58.504 -133.294,-62.707 -133.728,-63.141 -141.411,-63.141 -141.835,-62.717 -141.835,-58.479 -141.426,-58.07 -133.728,-58.07

## Keep-outs
Bottom Layer:
  lines w0.203: -73.875,21.675 -63.666,21.675 cw(c-63.666,20.309) -62.7,21.275 cw(c-63.605,20.37) -62.325,20.37 -62.325,9.993 ; -60.85,43.534 -47.018,43.534 ccw(c-47.018,46.074) -45.222,44.278 -45.169,44.331 ccw(c-46.965,46.127) -44.425,46.127 -44.425,50.8
Keep-Out Layer:
  the board outline again, w0.127

## Other copper
Top Layer:
  text "MK RTM SFP v1.0" at -113.4,56.9 h1.5
  text "L1" at -51.5,56.5 h1.5
  text "Layer Stack Up Detail for: RTM_SFP.PcbDoc" at -178.256,-98.031 h2.35
  text "Layer" at -178.256,-101.203 h1.15
  text "Gerber" at -147.084,-101.203 h1.15
  text "Copper" at -131.241,-101.203 h1.15
  text "Dielectric" at -113.52,-101.203 h1.15
  text "Dielectric" at -94.995,-101.203 h1.15
  text "Dielectric" at -71.821,-101.203 h1.15
  text "Dielectric" at -53.295,-101.203 h1.15
  text "Name" at -178.256,-103.503 h1.15
  text "Document" at -147.084,-103.503 h1.15
  text "Thickness" at -131.241,-103.503 h1.15
  text "Height" at -113.52,-103.503 h1.15
  text "Material" at -94.995,-103.503 h1.15
  text "Constant" at -71.821,-103.503 h1.15
  text "Type" at -53.295,-103.503 h1.15
  text "Top Solder Mask" at -178.256,-106.83 h1.6
  text "(.GTS)" at -147.084,-106.83 h1.6
  text "0.0102mm" at -113.52,-106.83 h1.6
  text "Solder Resist" at -94.995,-106.83 h1.6
  text "3.50" at -71.821,-106.83 h1.6
  text "Top Layer" at -178.256,-111.604 h1.6
  text "(.GTL)" at -147.084,-111.604 h1.6
  text "0.0356mm" at -131.241,-111.604 h1.6
  text "0.381mm" at -113.52,-113.992 h1.6
  text "FR-4" at -94.995,-113.992 h1.6
  text "4.80" at -71.821,-113.992 h1.6
  text "PrePreg" at -53.295,-113.992 h1.6
  text "PWR" at -178.256,-116.379 h1.6
  text "(.GP1)" at -147.084,-116.379 h1.6
  text "0.0356mm" at -131.241,-116.379 h1.6
  text "0.71mm" at -113.52,-118.766 h1.6
  text "FR-4" at -94.995,-118.766 h1.6
  text "4.80" at -71.821,-118.766 h1.6
  text "Core" at -53.295,-118.766 h1.6
  text "GND" at -178.256,-121.154 h1.6
  text "(.GP2)" at -147.084,-121.154 h1.6
  text "0.0356mm" at -131.241,-121.154 h1.6
  text "0.381mm" at -113.52,-123.541 h1.6
  text "FR-4" at -94.995,-123.541 h1.6
  text "4.80" at -71.821,-123.541 h1.6
  text "PrePreg" at -53.295,-123.541 h1.6
  text "Bottom Layer" at -178.256,-125.928 h1.6
  text "(.GBL)" at -147.084,-125.928 h1.6
  text "0.0356mm" at -131.241,-125.928 h1.6
  text "Bottom Solder Mask" at -178.256,-130.703 h1.6
  text "(.GBS)" at -147.084,-130.703 h1.6
  text "0.0102mm" at -113.52,-130.703 h1.6
  text "Solder Resist" at -94.995,-130.703 h1.6
  text "3.50" at -71.821,-130.703 h1.6
Bottom Layer:
  text "MK RTM SFP v1.0" at -91.9,56.9 h1.5
  text "L4" at -41.5,56.5 h1.5
MidPlane_2 (plane layer: these items are gaps in the copper):
  pour cut-out: -150.88,-11.61 -147.28,-11.61 -147.28,-15.21 -150.88,-15.21
  lines w0.254: -141.469,-72.18 -141.964,-71.685 -141.964,-67.34 -141.464,-66.84 -133.674,-66.84 -133.164,-67.35 -133.164,-71.66 -133.684,-72.18 ; -141.469,-57.93 -141.964,-57.435 -141.964,-53.09 -141.464,-52.59 -133.674,-52.59 -133.164,-53.1 -133.164,-57.41 -133.684,-57.93 ; -141.469,-43.68 -141.964,-43.185 -141.964,-38.84 -141.464,-38.34 -133.674,-38.34 -133.164,-38.85 -133.164,-43.16 -133.684,-43.68 ; -141.469,-29.43 -141.964,-28.935 -141.964,-24.59 -141.464,-24.09 -133.674,-24.09 -133.164,-24.6 -133.164,-28.91 -133.684,-29.43 ; -141.455,4.2 -141.95,4.695 -141.95,9.04 -141.45,9.54 -133.66,9.54 -133.15,9.03 -133.15,4.72 -133.67,4.2 ; -141.455,18.45 -141.95,18.945 -141.95,23.29 -141.45,23.79 -133.66,23.79 -133.15,23.28 -133.15,18.97 -133.67,18.45 ; -141.455,32.7 -141.95,33.195 -141.95,37.54 -141.45,38.04 -133.66,38.04 -133.15,37.53 -133.15,33.22 -133.67,32.7 ; -141.455,46.95 -141.95,47.445 -141.95,51.79 -141.45,52.29 -133.66,52.29 -133.15,51.78 -133.15,47.47 -133.67,46.95 ; -153.81,-15.92 -154.39,-16.5 -165.457,-16.5 -166.4,-15.557 -166.4,-5.93 -164.97,-4.5 -143.05,-4.5 -138.52,-9.03 -135.04,-9.03 -134.24,-9.83 -134.24,-11.57 -135.01,-12.34 ; -153.81,-15.92 -153.23,-16.5 -134.99,-16.5 -134.23,-15.74 -134.23,-13.12 -135.01,-12.34 ; -153.81,-15.92 -153.81,-9.84 -152.64,-8.67 -145.35,-8.67 -141.68,-12.34 -135.01,-12.34 ; -141.964,-77.02 -141.464,-77.52 -133.674,-77.52 -133.164,-77.01 -133.164,-72.7 -133.674,-72.19 -141.479,-72.19 -141.964,-72.675 -141.964,-77.02 ; -141.964,-62.77 -141.464,-63.27 -133.674,-63.27 -133.164,-62.76 -133.164,-58.45 -133.674,-57.94 -141.479,-57.94 -141.964,-58.425 -141.964,-62.77 ; -141.964,-48.52 -141.464,-49.02 -133.674,-49.02 -133.164,-48.51 -133.164,-44.2 -133.674,-43.69 -141.479,-43.69 -141.964,-44.175 -141.964,-48.52 ; -141.964,-34.27 -141.464,-34.77 -133.674,-34.77 -133.164,-34.26 -133.164,-29.95 -133.674,-29.44 -141.479,-29.44 -141.964,-29.925 -141.964,-34.27 ; -141.95,-0.64 -141.95,3.705 -141.465,4.19 -133.66,4.19 -133.15,3.68 -133.15,-0.63 -133.66,-1.14 -141.45,-1.14 -141.95,-0.64 ; -141.95,13.61 -141.45,13.11 -133.66,13.11 -133.15,13.62 -133.15,17.93 -133.66,18.44 -141.465,18.44 -141.95,17.955 -141.95,13.61 ; -141.95,27.86 -141.45,27.36 -133.66,27.36 -133.15,27.87 -133.15,32.18 -133.66,32.69 -141.465,32.69 -141.95,32.205 -141.95,27.86 ; -141.95,42.11 -141.45,41.61 -133.66,41.61 -133.15,42.12 -133.15,46.43 -133.66,46.94 -141.465,46.94 -141.95,46.455 -141.95,42.11
  text "L3" at -45,56.5 h1.5
MidPlane_1 (plane layer: these items are gaps in the copper):
  pour cut-out: -82.83,-56.86 -82.83,-58.06 -81.63,-58.06 -81.63,-56.86
  lines w0.254: -21.466,-7.112 -30.716,-7.112 -32.865,-4.963 -32.865,1.996 -29.861,5 1.529,5
  text "L2" at -48.5,56.5 h1.5

## Silkscreen, mask and mechanical layers (free items; w line width, h text height)
Mechanical 1:
  the board outline again, w0.127
Mechanical 2:
  drawing of 2814 lines, arcs and shapes, not listed
Mechanical 3:
  circle w0.127: c-172.4,-81.509 r0.254
  circle w0.127: c-168.151,-81.938 r0.254
  circle w0.127: c-147.274,-66.15 r0.254
  circle w0.127: c-150.012,58.191 r0.254
  circle w0.127: c-173.388,53.523 r0.254
  circle w0.127: c-171.93,53.276 r0.254
  circle w0.127: c-3.266,25.362 r0.254
  circle w0.127: c-11.9,25.057 r0.254
  circle w0.127: c-5.806,25.405 r0.254
  circle w0.127: c-10.63,25.057 r0.254
  circle w0.127: c-9.36,25.057 r0.254
  circle w0.127: c-8.09,25.057 r0.254
  circle w0.127: c-4.536,25.405 r0.254
  circle w0.127: c-1.996,25.405 r0.254
  circle w0.127: c0,17.511 r0.3
  circle w0.127: c0,20.01 r0.3
  circle w0.127: c0,22.512 r0.3
  circle w0.127: c-1.501,0.01 r0.3
  circle w0.127: c-1.501,2.512 r0.3
  circle w0.127: c-1.501,5.011 r0.3
  circle w0.127: c-1.501,7.511 r0.3
  circle w0.127: c-1.501,10.013 r0.3
  circle w0.127: c-1.501,12.512 r0.3
  circle w0.127: c-1.501,15.011 r0.3
  circle w0.127: c-3,0.01 r0.3
  circle w0.127: c-3,2.512 r0.3
  circle w0.127: c-3,5.011 r0.3
  circle w0.127: c-3,7.511 r0.3
  circle w0.127: c-3,10.013 r0.3
  circle w0.127: c-3,12.512 r0.3
  circle w0.127: c-3,15.011 r0.3
  circle w0.127: c-4.501,0.01 r0.3
  circle w0.127: c-4.501,2.512 r0.3
  circle w0.127: c-4.501,5.011 r0.3
  circle w0.127: c-4.501,7.511 r0.3
  circle w0.127: c-4.501,10.013 r0.3
  circle w0.127: c-4.501,12.512 r0.3
  circle w0.127: c-4.501,15.011 r0.3
  circle w0.127: c-5.999,0.01 r0.3
  circle w0.127: c-5.999,2.512 r0.3
  circle w0.127: c-5.999,5.011 r0.3
  circle w0.127: c-5.999,7.511 r0.3
  circle w0.127: c-5.999,10.013 r0.3
  circle w0.127: c-5.999,12.512 r0.3
  circle w0.127: c-5.999,15.011 r0.3
  circle w0.127: c-7.501,0.01 r0.3
  circle w0.127: c-7.501,2.512 r0.3
  circle w0.127: c-7.501,5.011 r0.3
  circle w0.127: c-7.501,7.511 r0.3
  circle w0.127: c-7.501,10.013 r0.3
  circle w0.127: c-7.501,12.512 r0.3
  circle w0.127: c-7.501,15.011 r0.3
  circle w0.127: c-9.002,0.01 r0.3
  circle w0.127: c-9.002,2.512 r0.3
  circle w0.127: c-9.002,5.011 r0.3
  circle w0.127: c-9.002,7.511 r0.3
  circle w0.127: c-9.002,10.013 r0.3
  circle w0.127: c-9.002,12.512 r0.3
  circle w0.127: c-9.002,15.011 r0.3
  circle w0.127: c-10.5,0.01 r0.3
  circle w0.127: c-10.5,2.512 r0.3
  circle w0.127: c-10.5,5.011 r0.3
  circle w0.127: c-10.5,7.511 r0.3
  circle w0.127: c-10.5,10.013 r0.3
  circle w0.127: c-10.5,12.512 r0.3
  circle w0.127: c-10.5,15.011 r0.3
  circle w0.127: c-12.002,0.01 r0.3
  circle w0.127: c-12.002,2.512 r0.3
  circle w0.127: c-12.002,5.011 r0.3
  circle w0.127: c-12.002,7.511 r0.3
  circle w0.127: c-12.002,10.013 r0.3
  circle w0.127: c-12.002,12.512 r0.3
  circle w0.127: c-12.002,15.011 r0.3
  circle w0.127: c0,0.01 r0.3
  circle w0.127: c0,2.512 r0.3
  circle w0.127: c0,5.011 r0.3
  circle w0.127: c0,7.511 r0.3
  circle w0.127: c0,10.013 r0.3
  circle w0.127: c0,12.512 r0.3
  circle w0.127: c0,15.011 r0.3
  circle w0.127: c-1.501,17.511 r0.3
  circle w0.127: c-1.501,20.01 r0.3
  circle w0.127: c-1.501,22.512 r0.3
  circle w0.127: c-3,17.511 r0.3
  circle w0.127: c-3,20.01 r0.3
  circle w0.127: c-3,22.512 r0.3
  circle w0.127: c-4.501,17.511 r0.3
  circle w0.127: c-4.501,20.01 r0.3
  circle w0.127: c-4.501,22.512 r0.3
  circle w0.127: c-5.999,17.511 r0.3
  circle w0.127: c-5.999,20.01 r0.3
  circle w0.127: c-5.999,22.512 r0.3
  circle w0.127: c-7.501,17.511 r0.3
  circle w0.127: c-7.501,20.01 r0.3
  circle w0.127: c-7.501,22.512 r0.3
  circle w0.127: c-9.002,17.511 r0.3
  circle w0.127: c-9.002,20.01 r0.3
  circle w0.127: c-9.002,22.512 r0.3
  circle w0.127: c-10.5,17.511 r0.3
  circle w0.127: c-10.5,20.01 r0.3
  circle w0.127: c-10.5,22.512 r0.3
  circle w0.127: c-12.002,17.511 r0.3
  circle w0.127: c-12.002,20.01 r0.3
  circle w0.127: c-12.002,22.512 r0.3
  circle w0.127: c-160.401,-84.239 r1.35
  circle w0.127: c-177.251,58.661 r1.6
  circle w0.127: c-14.661,54.16 r1.6
  circle w0.127: c-8.181,54.16 r1.6
  circle w0.127: c-1.699,54.16 r1.6

## Text inside footprints (layer, text, board x,y; h text height)
Cage1: Drill Drawing "PRESS-FIT TECHNOLOGY" at -161.43,4.486 h1 r90; Drill Drawing "26x diam. 1.05mm +/-0.05" at -165.855,1.686 h1 r90; Drill Drawing "20x diam. 0.95mm +/-0.05" at -163.775,1.786 h1 r90
Cage2: Drill Drawing "PRESS-FIT TECHNOLOGY" at -161.444,-71.894 h1 r90; Drill Drawing "26x diam. 1.05mm +/-0.05" at -165.869,-74.694 h1 r90; Drill Drawing "20x diam. 0.95mm +/-0.05" at -163.789,-74.594 h1 r90
J1: Mechanical 8 "PCB Edge" at 3,50.761 h1 r90
J2: Drill Drawing "PRESS-FIT TECHNOLOGY" at -13.2,28.6 h1 r90; Drill Drawing "diam. 0.6mm +0.06 -0" at 3.05,28.15 h1 r90; Mechanical 8 "PCB Edge" at 2.865,33.2 h1 r90; Top Overlay "A1" at 2.95,25 h1.1 r90; Top Overlay "A10" at 2.95,45.5 h1.1 r90; Mechanical 14 "A1" at 2.95,25 h1.1 r90; Mechanical 14 "A10" at 2.95,45.5 h1.1 r90
J6: Drill Drawing "PRESS-FIT TECHNOLOGY" at -13.2,3.6 h1 r90; Drill Drawing "diam. 0.6mm +0.06 -0" at 3.05,3.15 h1 r90; Mechanical 8 "PCB Edge" at 2.865,8.2 h1 r90; Top Overlay "A1" at 2.95,0 h1.1 r90; Top Overlay "A10" at 2.95,20.5 h1.1 r90; Mechanical 14 "A1" at 2.95,0 h1.1 r90; Mechanical 14 "A10" at 2.95,20.5 h1.1 r90